# Altium PCB MMB_Controller_Board.pcbdoc (part 1 of 3) (continued)
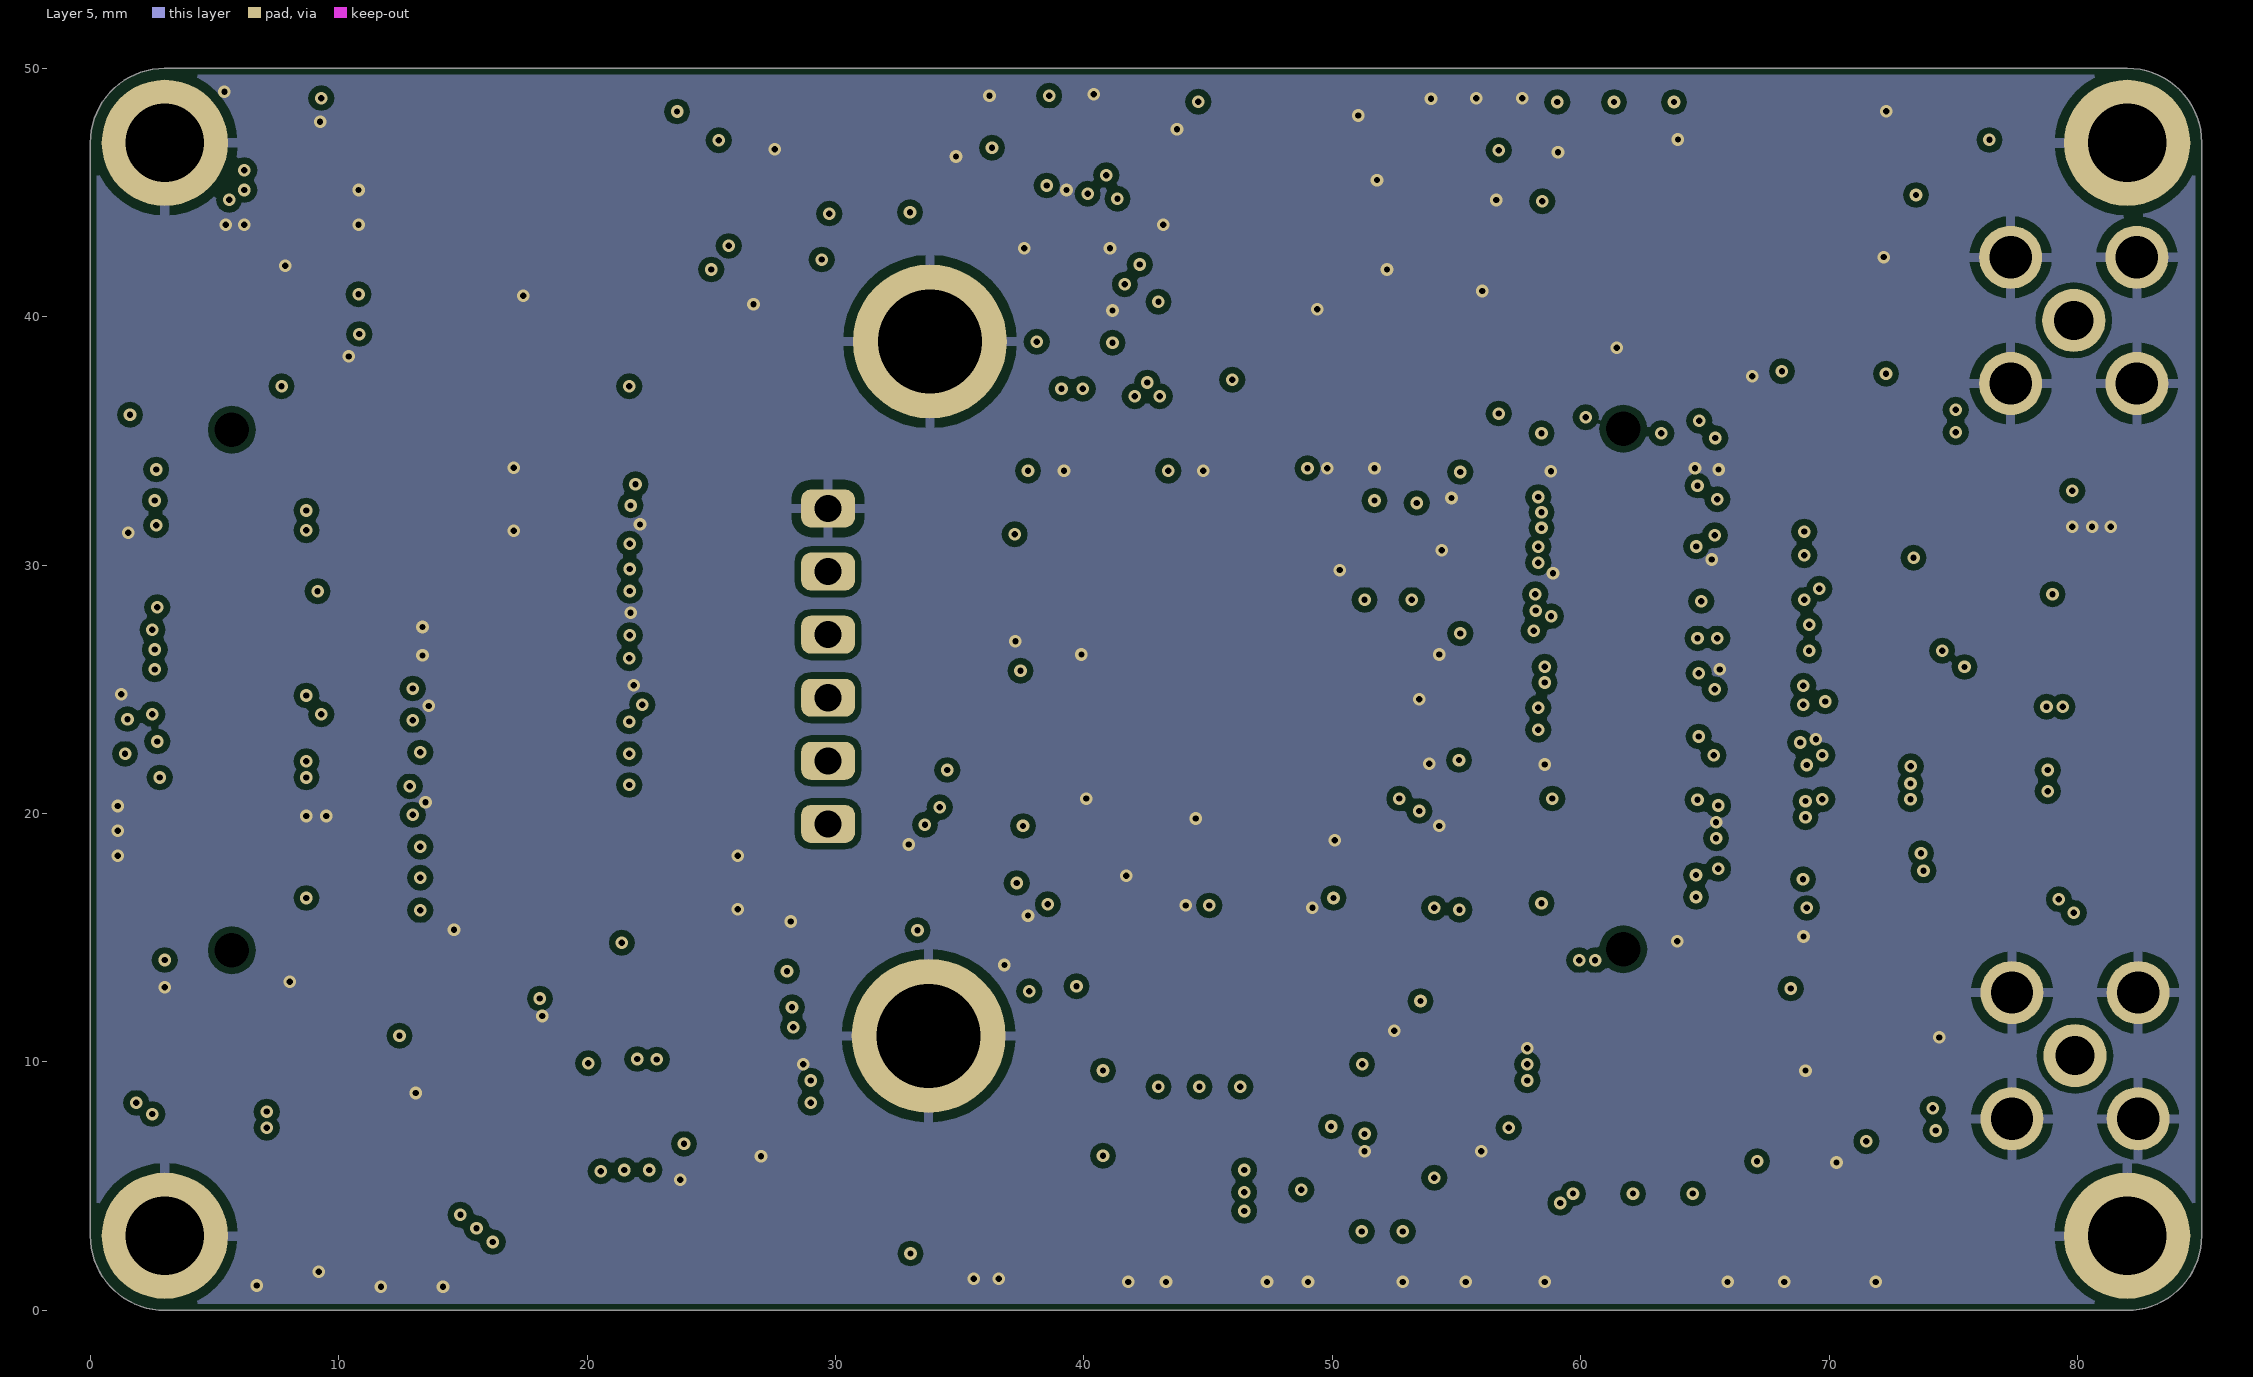
[diagram p5: Layer 5]
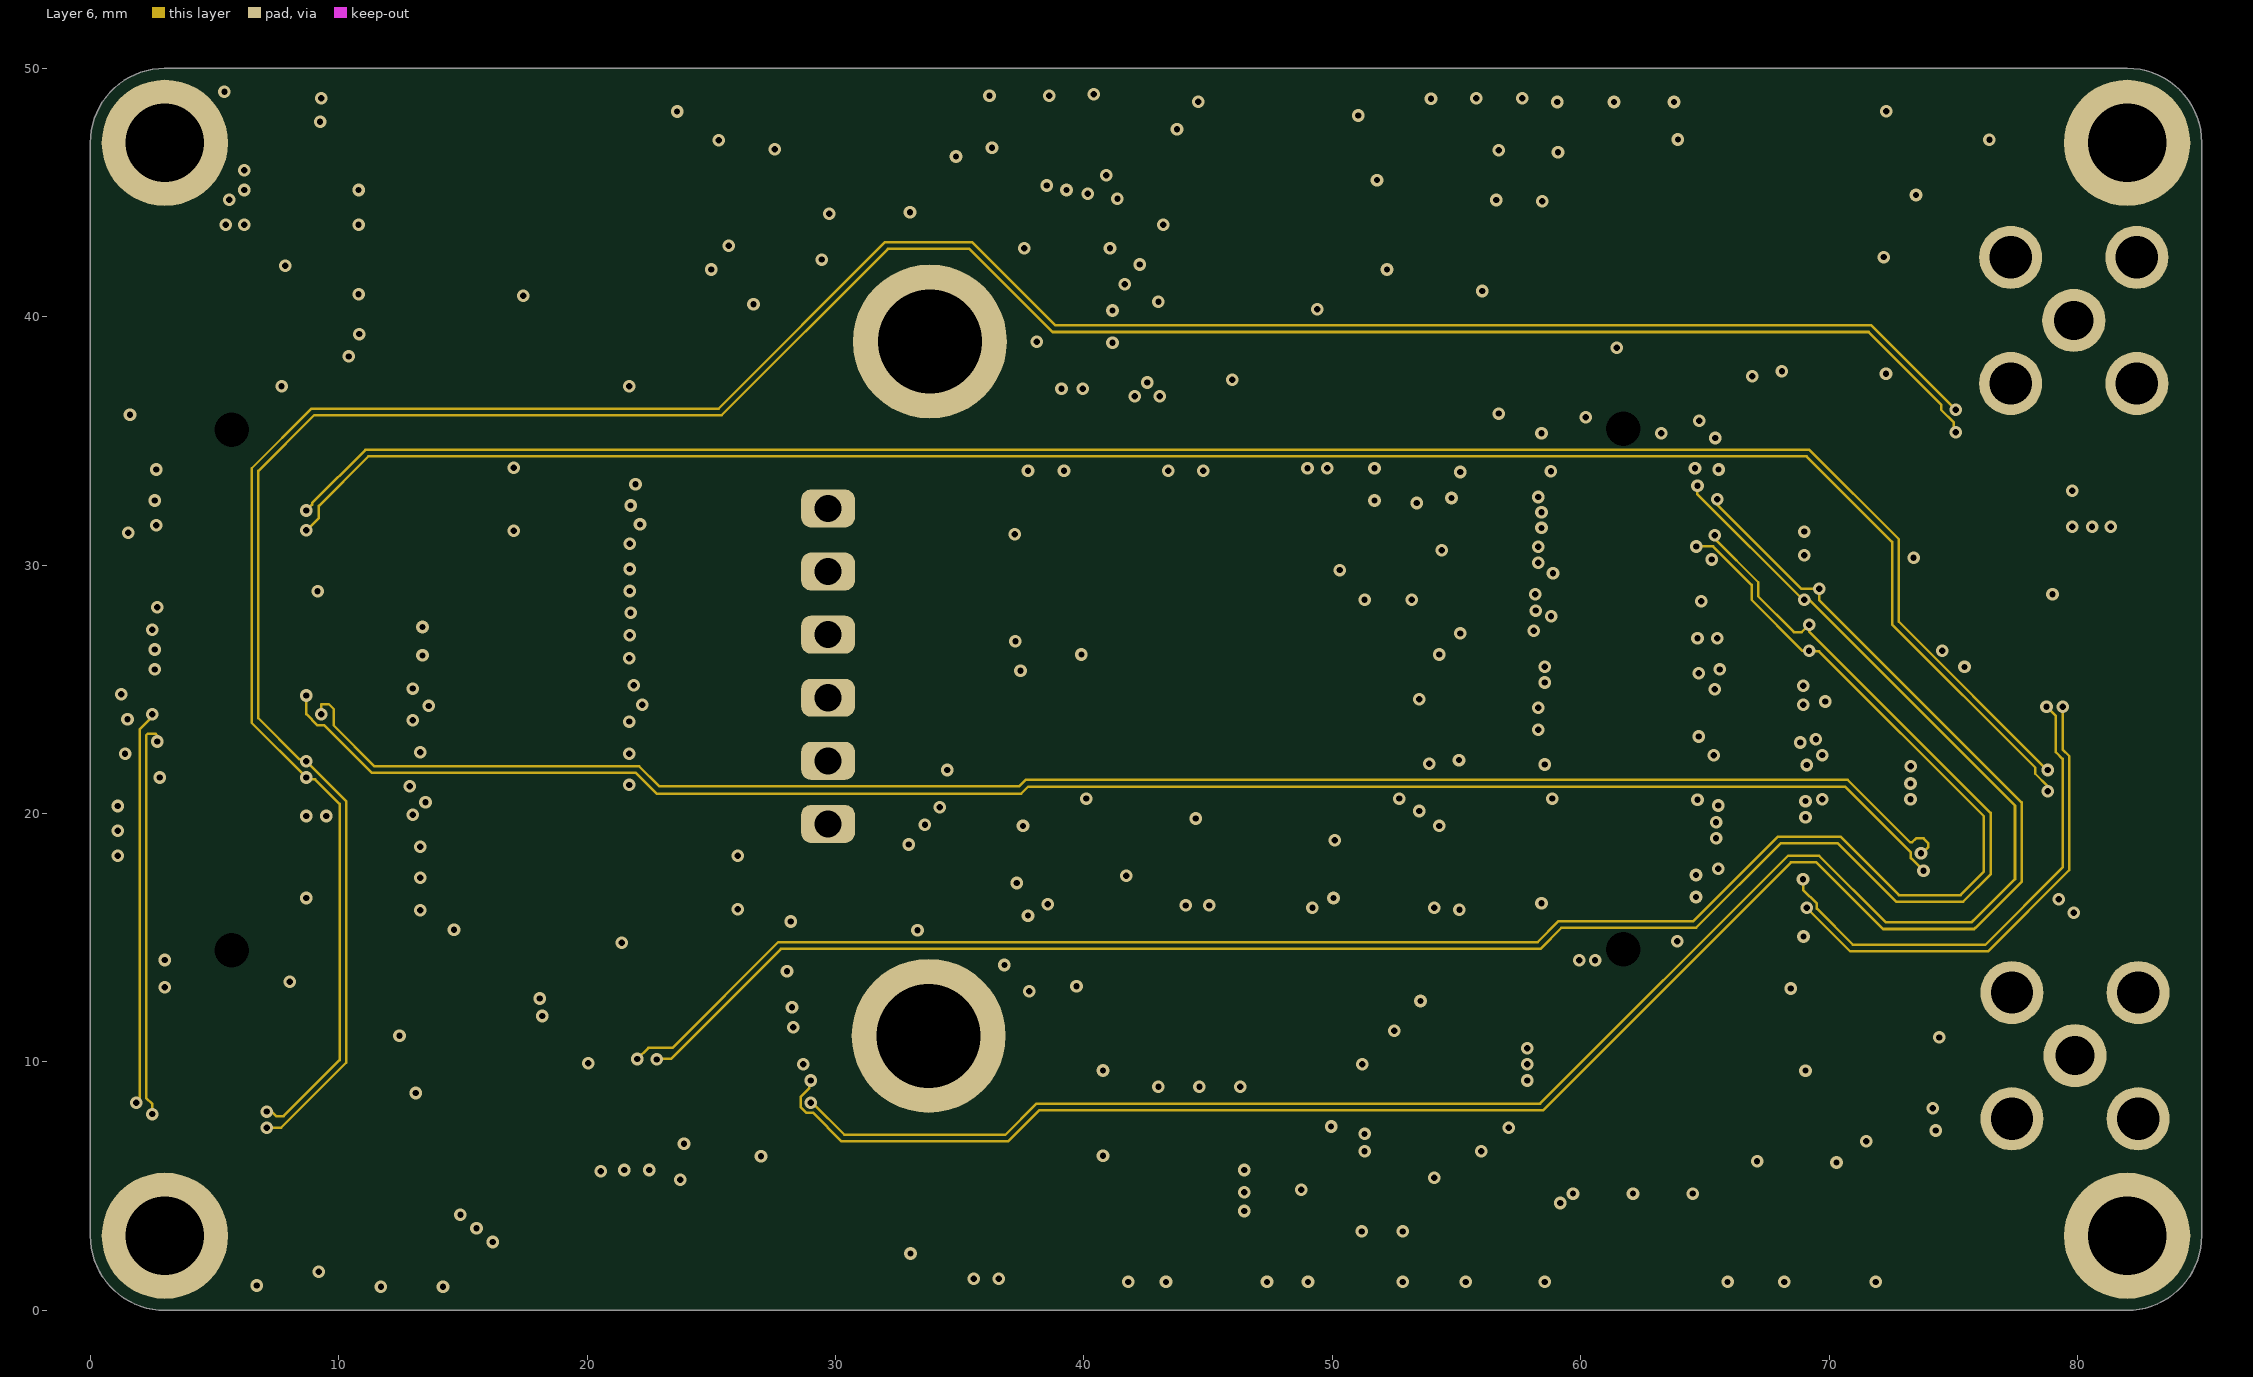
[diagram p6: Layer 6]
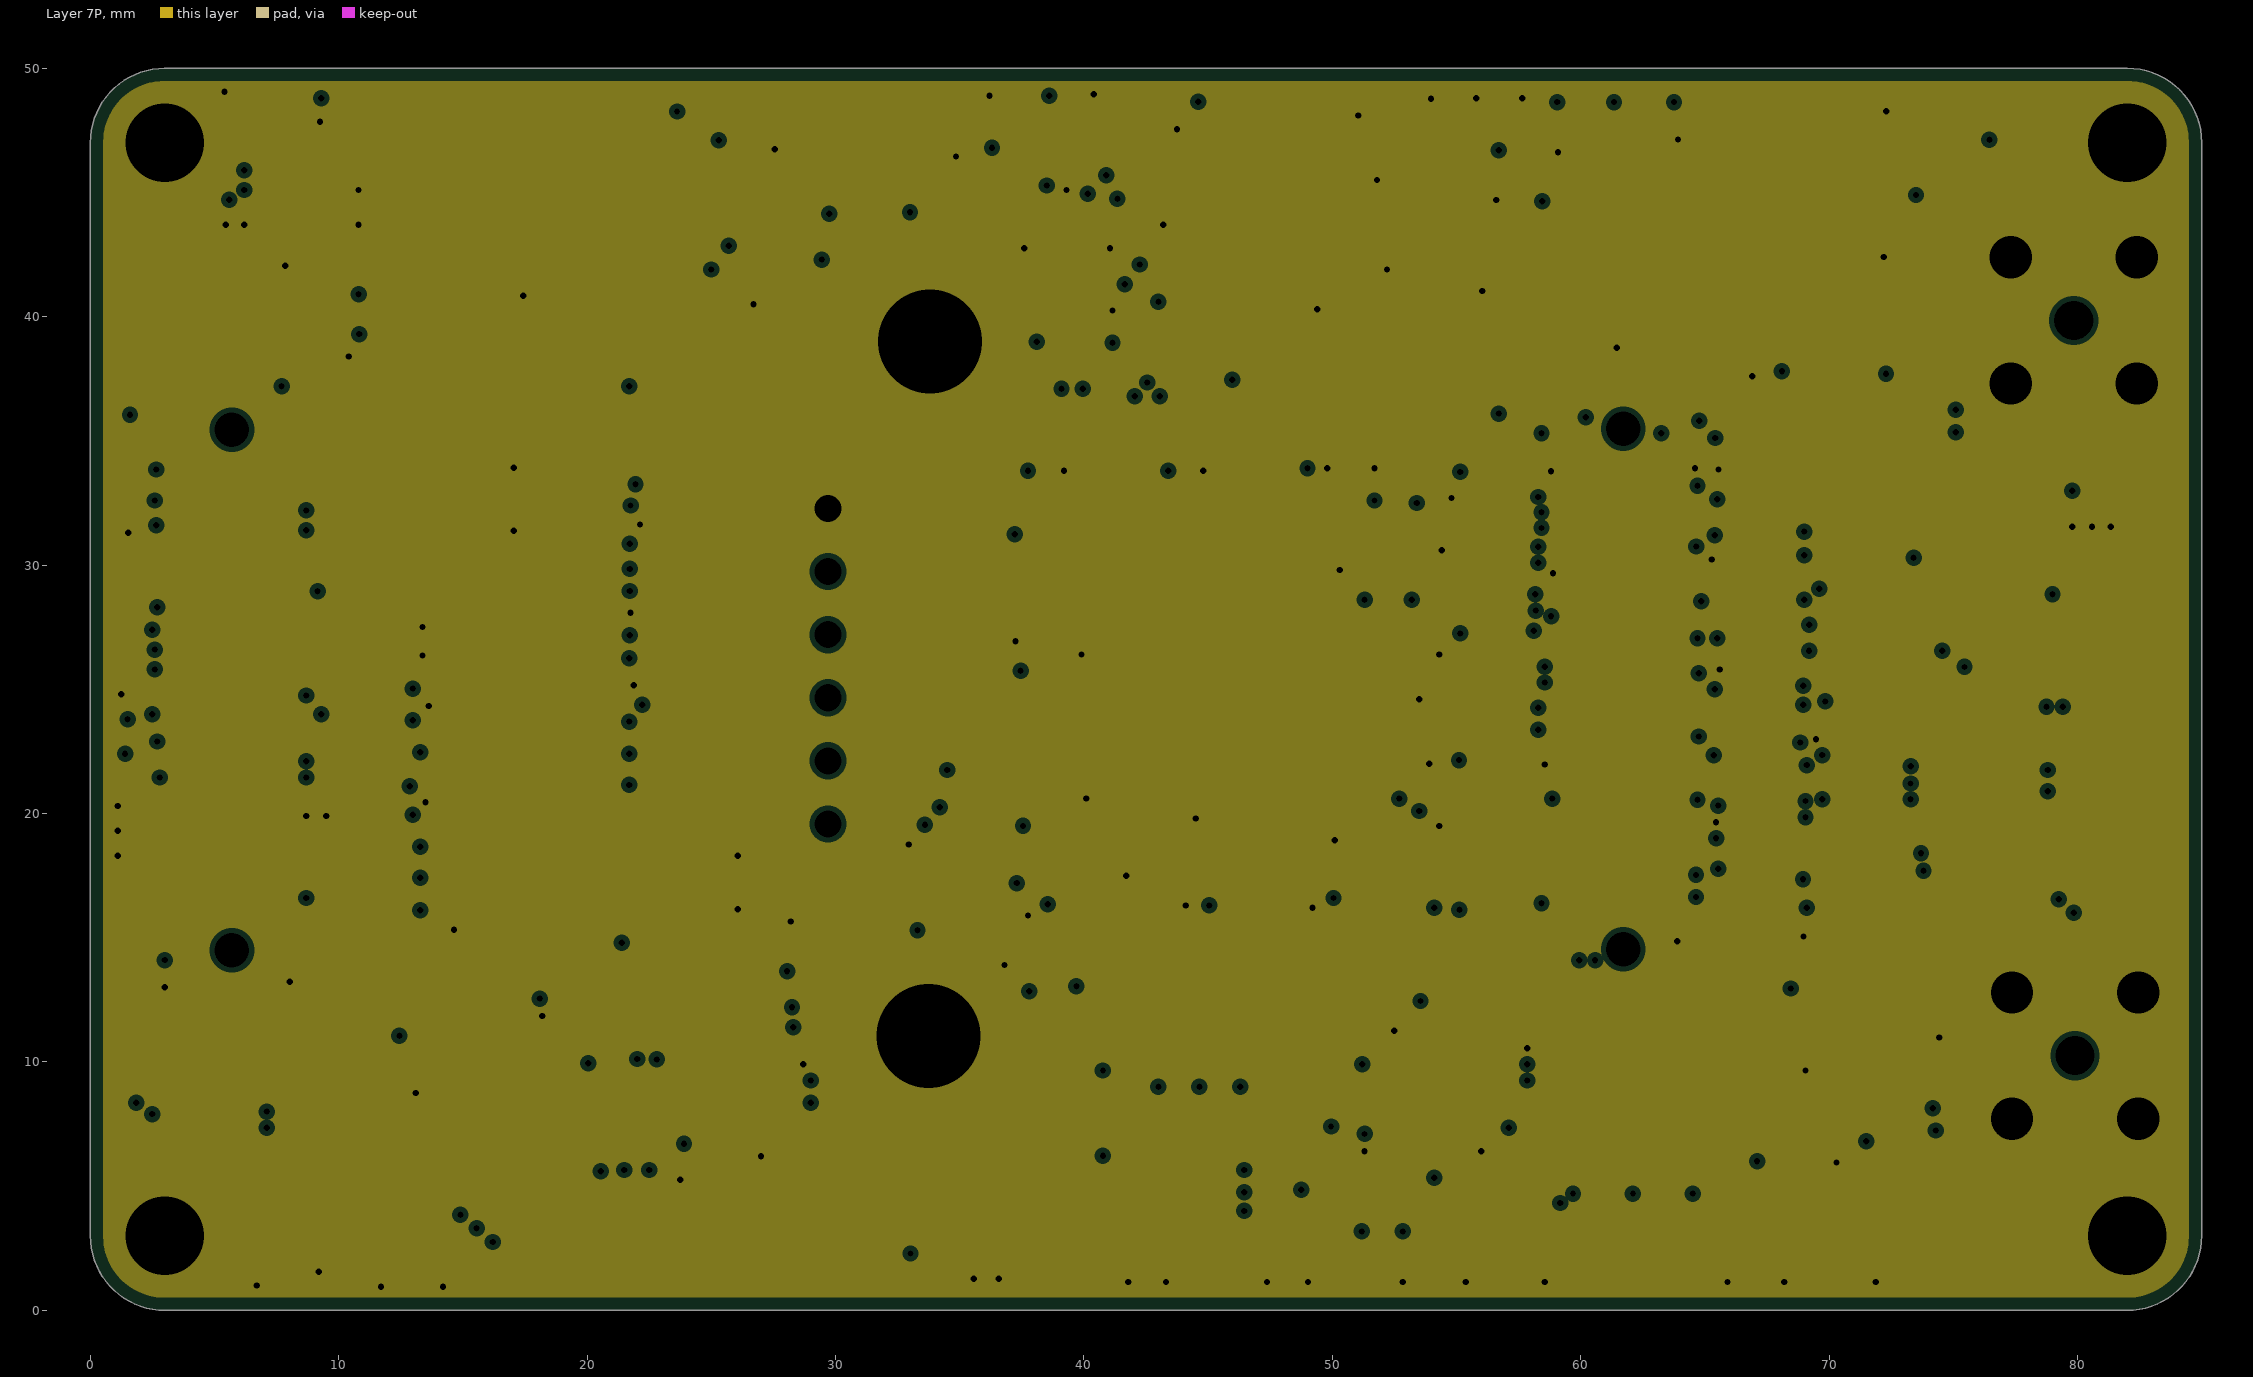
[diagram p7: Layer 7P, clearances drawn from the general rule]

## Layer stack, top to bottom
Top Mask: solder mask 0.0102, Solder Mask, Dk 3.5
Layer 1: signal copper 0.0178
Dielectric 1: core 0.127, 370HR or Equiv, Dk 4
Layer 2P: plane copper 0.0178, net GND
Dielectric 2: prepreg 0.1524, 370HR or Equiv, Dk 4
Layer 3: signal copper 0.018
Dielectric 3: core 0.1524, 370HR or Equiv, Dk 4
Layer 4 Pow: signal copper 0.035
Dielectric 4: prepreg 0.6604, 370HR or Equiv, Dk 4
Layer 5: signal copper 0.035
Dielectric 5: core 0.1524, 370HR or Equiv, Dk 4
Layer 6: signal copper 0.018
Dielectric 6: prepreg 0.1524, 370HR or Equiv, Dk 4
Layer 7P: plane copper 0.0178, net GND
Dielectric 7: core 0.127, 370HR or Equiv, Dk 4
Layer 8: signal copper 0.0178
Bottom Mask: solder mask 0.0102, Solder Mask, Dk 3.5

## Board outline
0,3 0,47 cw(c3,47) 3,50 82,50 cw(c82,47) 85,47 85,3 cw(c82,3) 82,0 3,0 cw(c3,3)

## Design rules (kind name [scope] priority, off if disabled: settings)
AssemblyTestPointUsage [All  and not InNetClass('NoATE')] p1: allowmultiple=TRUE
AssemblyTestpoint [IsPad And OnBottomLayer] p1: testpointundercomponent=TRUE minsize=0.762 maxsize=0.762 preferedsize=0.762 minholesize=0 maxholesize=0 preferedholesize=0 testpointgrid=0.025 usegrid=FALSE gridtolerance=0 allowsidebottom=TRUE minspacing=1.27 compbodyclearance=0.254
BoardOutlineClearance [All] p1: gap=0.25 ignorepadtopadclearanceinfootprint=FALSE
Clearance Clearance_Poly [InPolygon] p1: gap=0.254 ignorepadtopadclearanceinfootprint=TRUE
Clearance Clearance_KO [ISKEEPOUT] p2: gap=0.013 ignorepadtopadclearanceinfootprint=TRUE
Clearance Clearance_TP [ispad And OnBottom And (TestpointAssyBottom = 'True') vs ispad And OnBottom And (TestpointAssyBottom = 'True')] p3: gap=0.508 ignorepadtopadclearanceinfootprint=FALSE except(0: Arc-Hole Track-Hole SMDPad-Hole THPad-Hole Via-Hole Fill-Hole Poly-Hole Region-Hole Text-Hole)
Clearance Clearance_InDIffPair-Int [istrack and InAnyDifferentialPair and OnMid  and not WithinRoom('bga') vs istrack and InAnyDifferentialPair and OnMid  and not WithinRoom('bga')] p4: gap=0.165 ignorepadtopadclearanceinfootprint=FALSE except(0: Arc-Hole Track-Hole SMDPad-Hole THPad-Hole Via-Hole Fill-Hole Poly-Hole Region-Hole Text-Hole) // Within differential pairs Internal
Clearance Clearance_InDIffPair-Ext [istrack and InAnyDifferentialPair and OnOutside  and not WithinRoom('bga') vs istrack and InAnyDifferentialPair and OnOutside  and not WithinRoom('bga')] p5: gap=0.165 ignorepadtopadclearanceinfootprint=FALSE except(0: Arc-Hole Track-Hole SMDPad-Hole THPad-Hole Via-Hole Fill-Hole Poly-Hole Region-Hole Text-Hole) // within differential pair External
Clearance Clearance_V-P_InRoom [IsVia  and WithinRoom('bga') vs IsSMTPin and inbga and WithinRoom('bga')] p6: gap=0.102 ignorepadtopadclearanceinfootprint=FALSE except(0: Arc-Hole Track-Hole SMDPad-Hole THPad-Hole Via-Hole Fill-Hole Poly-Hole Region-Hole Text-Hole)
Clearance Clearance_InRoom [istrack vs ispad] p7: gap=0.097 ignorepadtopadclearanceinfootprint=FALSE except(0: Arc-Hole Track-Hole SMDPad-Hole THPad-Hole Via-Hole Fill-Hole Poly-Hole Region-Hole Text-Hole)
Clearance [All] p8: gap=0.102 ignorepadtopadclearanceinfootprint=TRUE except(0: Arc-Hole Track-Hole SMDPad-Hole THPad-Hole Via-Hole Fill-Hole Poly-Hole Region-Hole Text-Hole; 0.013: THPad-Fill THPad-Poly THPad-Region)
ComponentClearance ComponentClearance_ICM [InComponentClass('ICM_3D') vs InComponentClass('ICM_3D')] p1: gap=0 collisioncheckmode=3 verticalgap=0 showdistances=FALSE
ComponentClearance ComponentClearance_1 [HasFootprint('High Voltage Module Pattern')] p2 off: gap=-200 collisioncheckmode=3 verticalgap=0 showdistances=FALSE
ComponentClearance [All] p3: gap=0.1 collisioncheckmode=3 verticalgap=0.254 showdistances=FALSE
DiffPairsRouting DiffPairsRouting_InRoom [InanyDifferentialPair and WithinRoom('bga')] p1: maxlimit=0.165 minlimit=0.102 mostfreqgap=0.165 toplayer_mingap=0.165 toplayer_minwidth=0.152 toplayer_maxwidth=0.152 toplayer_prefwidth=0.152 midlayer2_mingap=0.152 midlayer2_minwidth=0.102 midlayer2_maxwidth=0.102 midlayer2_prefwidth=0.102 midlayer3_maxgap=0.102 midlayer3_prefgap=0.102 midlayer3_minwidth=0.102 midlayer3_maxwidth=0.102 midlayer3_prefwidth=0.102 midlayer4_maxgap=0.102 midlayer4_prefgap=0.102 midlayer4_minwidth=0.102 midlayer4_maxwidth=0.102 midlayer4_prefwidth=0.102 midlayer5_mingap=0.152 midlayer5_minwidth=0.102 midlayer5_maxwidth=0.102 midlayer5_prefwidth=0.102 bottomlayer_mingap=0.165 bottomlayer_minwidth=0.152 bottomlayer_maxwidth=0.152 bottomlayer_prefwidth=0.152 maxuncoupledlength=50.8 // 100 Ohm Differential In Room
DiffPairsRouting [InDifferentialPairClass('All Differential Pairs')] p2: maxlimit=0.165 minlimit=0.165 mostfreqgap=0.165 toplayer_minwidth=0.152 toplayer_maxwidth=0.152 toplayer_prefwidth=0.152 midlayer2_minwidth=0.102 midlayer2_maxwidth=0.102 midlayer2_prefwidth=0.102 midlayer3_minwidth=0.102 midlayer3_maxwidth=0.102 midlayer3_prefwidth=0.102 midlayer4_minwidth=0.102 midlayer4_maxwidth=0.102 midlayer4_prefwidth=0.102 midlayer5_minwidth=0.102 midlayer5_maxwidth=0.102 midlayer5_prefwidth=0.102 bottomlayer_minwidth=0.152 bottomlayer_maxwidth=0.152 bottomlayer_prefwidth=0.152 maxuncoupledlength=50.8 // 100 Ohm Differential
FanoutControl Fanout_BGA [InComponentClass('BGA')] p1 off: bgadir=Out bgaviamode=Centered fanoutstyle=BGA fanoutdirection=None viagrid=0.025 // Fanout_BGA (Default Rule)
FanoutControl Fanout_LCC [IsLCC] p2 off: bgadir=Out bgaviamode=Centered fanoutstyle=Auto fanoutdirection=None viagrid=0.025 // Fanout_LCC (Default Rule)
FanoutControl Fanout_SOIC [IsSOIC] p3 off: bgadir=Out bgaviamode=Centered fanoutstyle=Auto fanoutdirection=None viagrid=0.025 // Fanout_SOIC (Default Rule)
FanoutControl Fanout_Small [(CompPinCount < 5)] p4 off: bgadir=Out bgaviamode=Centered fanoutstyle=Auto fanoutdirection=OutOnly viagrid=0.025 // Fanout_Small (Default Rule)
FanoutControl Fanout_Default [All] p5 off: bgadir=Out bgaviamode=Centered fanoutstyle=Auto fanoutdirection=None viagrid=0.025 // Fanout_Default (Default Rule)
HoleSize [All] p1: absolutevalues=TRUE maxlimit=6.35 minlimit=0.203 maxpercent=80.000 minpercent=20.000
MatchedLengths DDR_D_Lo [InNetClass('DDR3_DATA_LOW')] p1: tolerance=1.016 checknetsindiffpair=FALSE checkdiffpairvsdiffpair=TRUE checkxsignals=TRUE checkothers=TRUE
MatchedLengths DDR_D_Hi [InNetClass('DDR3_DATA_HI')] p2: tolerance=1.016 checknetsindiffpair=FALSE checkdiffpairvsdiffpair=TRUE checkxsignals=TRUE checkothers=TRUE
MatchedLengths DDR-AC [InxSignalClass('DDR-AC')] p3: tolerance=1.016 checknetsindiffpair=FALSE checkdiffpairvsdiffpair=TRUE checkxsignals=TRUE checkothers=TRUE
MatchedLengths LVDS_Pairs [InDifferentialPairClass('All Differential Pairs')  and not InDifferentialPair('FILT_IN')] p4: tolerance=0.254 checknetsindiffpair=TRUE checkdiffpairvsdiffpair=FALSE checkxsignals=FALSE checkothers=FALSE
MatchedLengths ADC_Data_Set [InDifferentialPairClass('ADC Data')] p5: tolerance=2.54 checknetsindiffpair=FALSE checkdiffpairvsdiffpair=TRUE checkxsignals=TRUE checkothers=TRUE
MinimumSolderMaskSliver [All] p1: minsoldermaskwidth=0.127
NetAntennae [All     and not InNet('DDR3_RZQ')] p1: netantennaetolerance=0
PasteMaskExpansion [All] p1: expansion=-0.025
PlaneClearance [All] p1: clearance=0.203
PlaneConnect PlaneConnect_TH [IsThruPin] p1: planeconnectstyle=Relief reliefexpansion=0.381 reliefentries=4 reliefconductorwidth=0.381 reliefairgap=0.254
PlaneConnect [isvia] p2: planeconnectstyle=Direct reliefexpansion=0.508 reliefentries=4 reliefconductorwidth=0.254 reliefairgap=0.254
PolygonConnect PolygonConnect_SMT [IsSMTPin] p1: connectstyle=Direct reliefconductorwidth=0.254 reliefentries=4 polygonreliefangle="90 Angle" airgapwidth=0.254
PolygonConnect "PolygonConnect FPGA" [All vs InPadClass('FPGA Pads')] p2: connectstyle=NoConnect reliefconductorwidth=0.254 reliefentries=4 polygonreliefangle="90 Angle" airgapwidth=0.15
PolygonConnect PolygonConnect_TH [All vs Isthrupin] p3: connectstyle=Relief reliefconductorwidth=0.381 reliefentries=4 polygonreliefangle="90 Angle" airgapwidth=0.381
PolygonConnect PolygonConnect_VIA [All vs IsVia] p4: connectstyle=Direct reliefconductorwidth=0.254 reliefentries=4 polygonreliefangle="90 Angle" airgapwidth=0.254
RoutingCorners [All] p1: cornerstyle=45-Degree minsetback=0 maxsetback=15
RoutingVias RoutingVias_InRoom [WithinRoom('bga')] p1: holewidth=0.203 width=0.406 viastyle="Through Hole" minholewidth=0.203 minwidth=0.406 maxholewidth=0.203 maxwidth=0.406
RoutingVias "Routing Vias" [All] p2: holewidth=0.254 width=0.508 viastyle="Through Hole" minholewidth=0.254 minwidth=0.508 maxholewidth=0.254 maxwidth=0.508
SMDToCorner [All] p1: distance=0
SilkToSilkClearance [All] p1: silktosilkclearance=0.025
SilkToSolderMaskClearance [IsPad] p1: minsilkscreentomaskgap=0.051 clearancetoexposedcopper=FALSE
SolderMaskExpansion SolderMaskExpansion_Via16 [isvia and (AsMils(ViaDiameter) = 16) and (AsMils(HoleDiameter) - 8)] p1: expansion=0.051 istentingtop=FALSE soldermaskfromhole=TRUE // Encroahced 16 mil vias
SolderMaskExpansion SolderMaskExpansion_Via20 [isvia and (AsMils(ViaDiameter) = 20) and (AsMils(HoleDiameter) - 10)] p2: expansion=0.051 istentingtop=FALSE soldermaskfromhole=TRUE // Encroahced 20 mil vias
SolderMaskExpansion SolderMaskExpansion_NPT [isPad And (PadIsPlated = 'False')] p3: expansion=0.152 istentingtop=FALSE soldermaskfromhole=TRUE
SolderMaskExpansion SolderMaskExpansion_TH [isthrupin] p4: expansion=0.051 istentingtop=FALSE
SolderMaskExpansion SolderMaskExpansion_SMT [IsSMTPin] p5: expansion=0.051 istentingtop=FALSE
Width Width_Differential [inanydifferentialpair] p1: maxlimit=0.152 minlimit=0.102 preferedwidth=0.107 toplayer_minwidth=0.152 toplayer_prefwidth=0.152 midlayer2_maxwidth=0.102 midlayer2_prefwidth=0.102 midlayer3_minwidth=0.107 midlayer3_maxwidth=0.107 midlayer4_minwidth=0.107 midlayer4_maxwidth=0.107 midlayer5_maxwidth=0.102 midlayer5_prefwidth=0.102 bottomlayer_minwidth=0.152 bottomlayer_prefwidth=0.152 minimp=50.000000 maximp=50.000000 favimp=50.000000
Width Width_Power_InRoom [InNetClass('Power Nets')  and WithinRoom('bga')] p2: maxlimit=1.27 minlimit=0.203 preferedwidth=0.5 toplayer_prefwidth=0.203 midlayer2_prefwidth=0.203 midlayer5_prefwidth=0.203 bottomlayer_prefwidth=0.203 minimp=50.000000 maximp=50.000000 favimp=50.000000
Width Width_Power [InNetClass('Power Nets') and not WithinRoom('bga')] p3: maxlimit=1.27 minlimit=0.254 preferedwidth=0.508
Width Width_50Ohm [All  and not (InAnyDifferentialPair    or (isComponent And (Footprint = 'IND_WE_TPC')))] p4: maxlimit=1 minlimit=0.14 preferedwidth=0.5 toplayer_minwidth=0.203 toplayer_maxwidth=0.203 toplayer_prefwidth=0.203 midlayer2_maxwidth=0.14 midlayer2_prefwidth=0.14 midlayer5_maxwidth=0.14 midlayer5_prefwidth=0.14 bottomlayer_minwidth=0.203 bottomlayer_maxwidth=0.203 bottomlayer_prefwidth=0.203 minimp=50.000000 maximp=50.000000 favimp=50.000000
12 further rules are at their usual default settings.

## Classes and differential pairs
component class XTIO: C111 C112 C113 C114 C115 C116 C117 C118 C119 C120 C121 C122 C123 C124 C125 C126 C127 C128 C129 C130 C131 C132 D2 D3 J2 J3 P11 P12 P13 P14 P15 P16 P17 R39 R40 R41 R42 R43 R44 R45 R46 R47 R48 R49 R50 R51 R52 R53 R54 R55 R56 R57 R58 R59 R60 R61 R62 R63 R64 R65 R66 R67 R68 R69 R70 R71 R72 R73 R74 R75 R76 R77 R78 R79 R80 TP3 TP4 TP5 U13 U14 U15 U16 U17
component class MCU: C40 C41 C42 C43 C44 C45 C46 C47 C48 C49 C50 C51 C52 C53 C54 C55 C56 C57 C58 C59 C60 C61 C62 C63 C64 C65 C66 C67 ID0 ID1 ID2 ID3 P9 P10 R21 R22 R23 R24 R25 R26 R27 R28 R29 R30 R31 R33 R34 R35 R36 TP1 TP2 U4 U5 U6 U7 U8 U9
component class PFIL: C68 C69 C70 C71 C72 C73 C74 C75 C76 C77 C78 C79 C80 C81 C82 C83 C84 C85 C86 C87 C88 C89 C90 C91 C92 C93 C94 C95 L13 L14 L15 L16 L17 L18 L19 L20 L21 L22 L23 L24 MH1 MH2 MH3 MH4
component class ICM: C1 C2 C3 C4 C5 C6 C7 C8 C9 C10 C11 C12 C13 ICM-J1 ICM-J2 ICM-MH1 ICM-MH2 P1 P2 P6 P33 PBA R1 R2 R3 R4 R5 R6 R7 R8 R11 R12 R13 R14 R15 R16 U1 U2 U3
polygon class PolygonClass_1: NONET_L01_P014
component class SLO: C96 C97 C98 C99 C100 C101 C102 C103 C104 C105 C106 C107 C108 C109 C110 C133 C134 L27 L28 R37 R38 R301 R302 U10 U11 U12
net class "SMA DIFF": SMA_TIME_IN_N SMA_TIME_IN_P SMA_TRIG_OUT_N SMA_TRIG_OUT_P
net class "Ice Comms Module Parts": +5V0 GND ICM_+1V8 ICM_+3V3 ICM_CAL_TIME_N ICM_CAL_TIME_P ICM_CAL_TRIG_N ICM_CAL_TRIG_P ICM_FPGA_CLOCK_N ICM_FPGA_CLOCK_P ICM_FPGA_GPIO_0 ICM_FPGA_GPIO_1 ICM_FPGA_SYNC_N ICM_FPGA_SYNC_P ICM_FPGA_UART_CTS ICM_FPGA_UART_RTS ICM_FPGA_UART_RX ICM_FPGA_UART_TX ICM_MBPWR_EN ICM_MCU_BOOT ICM_MCU_NRST ICM_MCU_USART_CK ICM_MCU_USART_CTS ICM_MCU_USART_RTS ICM_MCU_USART_RX ICM_MCU_USART_TX ICM_TCK ICM_TDI ICM_TDO ICM_TMS ICM_USB_D_N ICM_USB_D_P ICM_USB_P5V ICM_WP_ADR_0 ICM_WP_ADR_1 ICM_WP_ADR_2 ICM_WP_N ICM_WP_P INTLK_0 INTLK_1 INTLK_2 INTLK_3 PCA_ID
differential pair ICM_FPGA_SYNC: +ICM_FPGA_SYNC_P -ICM_FPGA_SYNC_N
differential pair ICM_FPGA_CLOCK: +ICM_FPGA_CLOCK_P -ICM_FPGA_CLOCK_N
differential pair ICM_CAL_TIME: +ICM_CAL_TIME_P -ICM_CAL_TIME_N
differential pair ICM_CAL_TRIG: +ICM_CAL_TRIG_P -ICM_CAL_TRIG_N
differential pair ICM_WP: +ICM_WP_P -ICM_WP_N
differential pair SMA_TIME_IN: +SMA_TIME_IN_P -SMA_TIME_IN_N
differential pair SMA_TRIG_OUT: +SMA_TRIG_OUT_P -SMA_TRIG_OUT_N
differential pair XTIO_CAL_TIME: +XTIO_CAL_TIME_P -XTIO_CAL_TIME_N
differential pair XTIO_CAL_TRIG: +XTIO_CAL_TRIG_P -XTIO_CAL_TRIG_N
